# Allegro board controller.brd (continued)
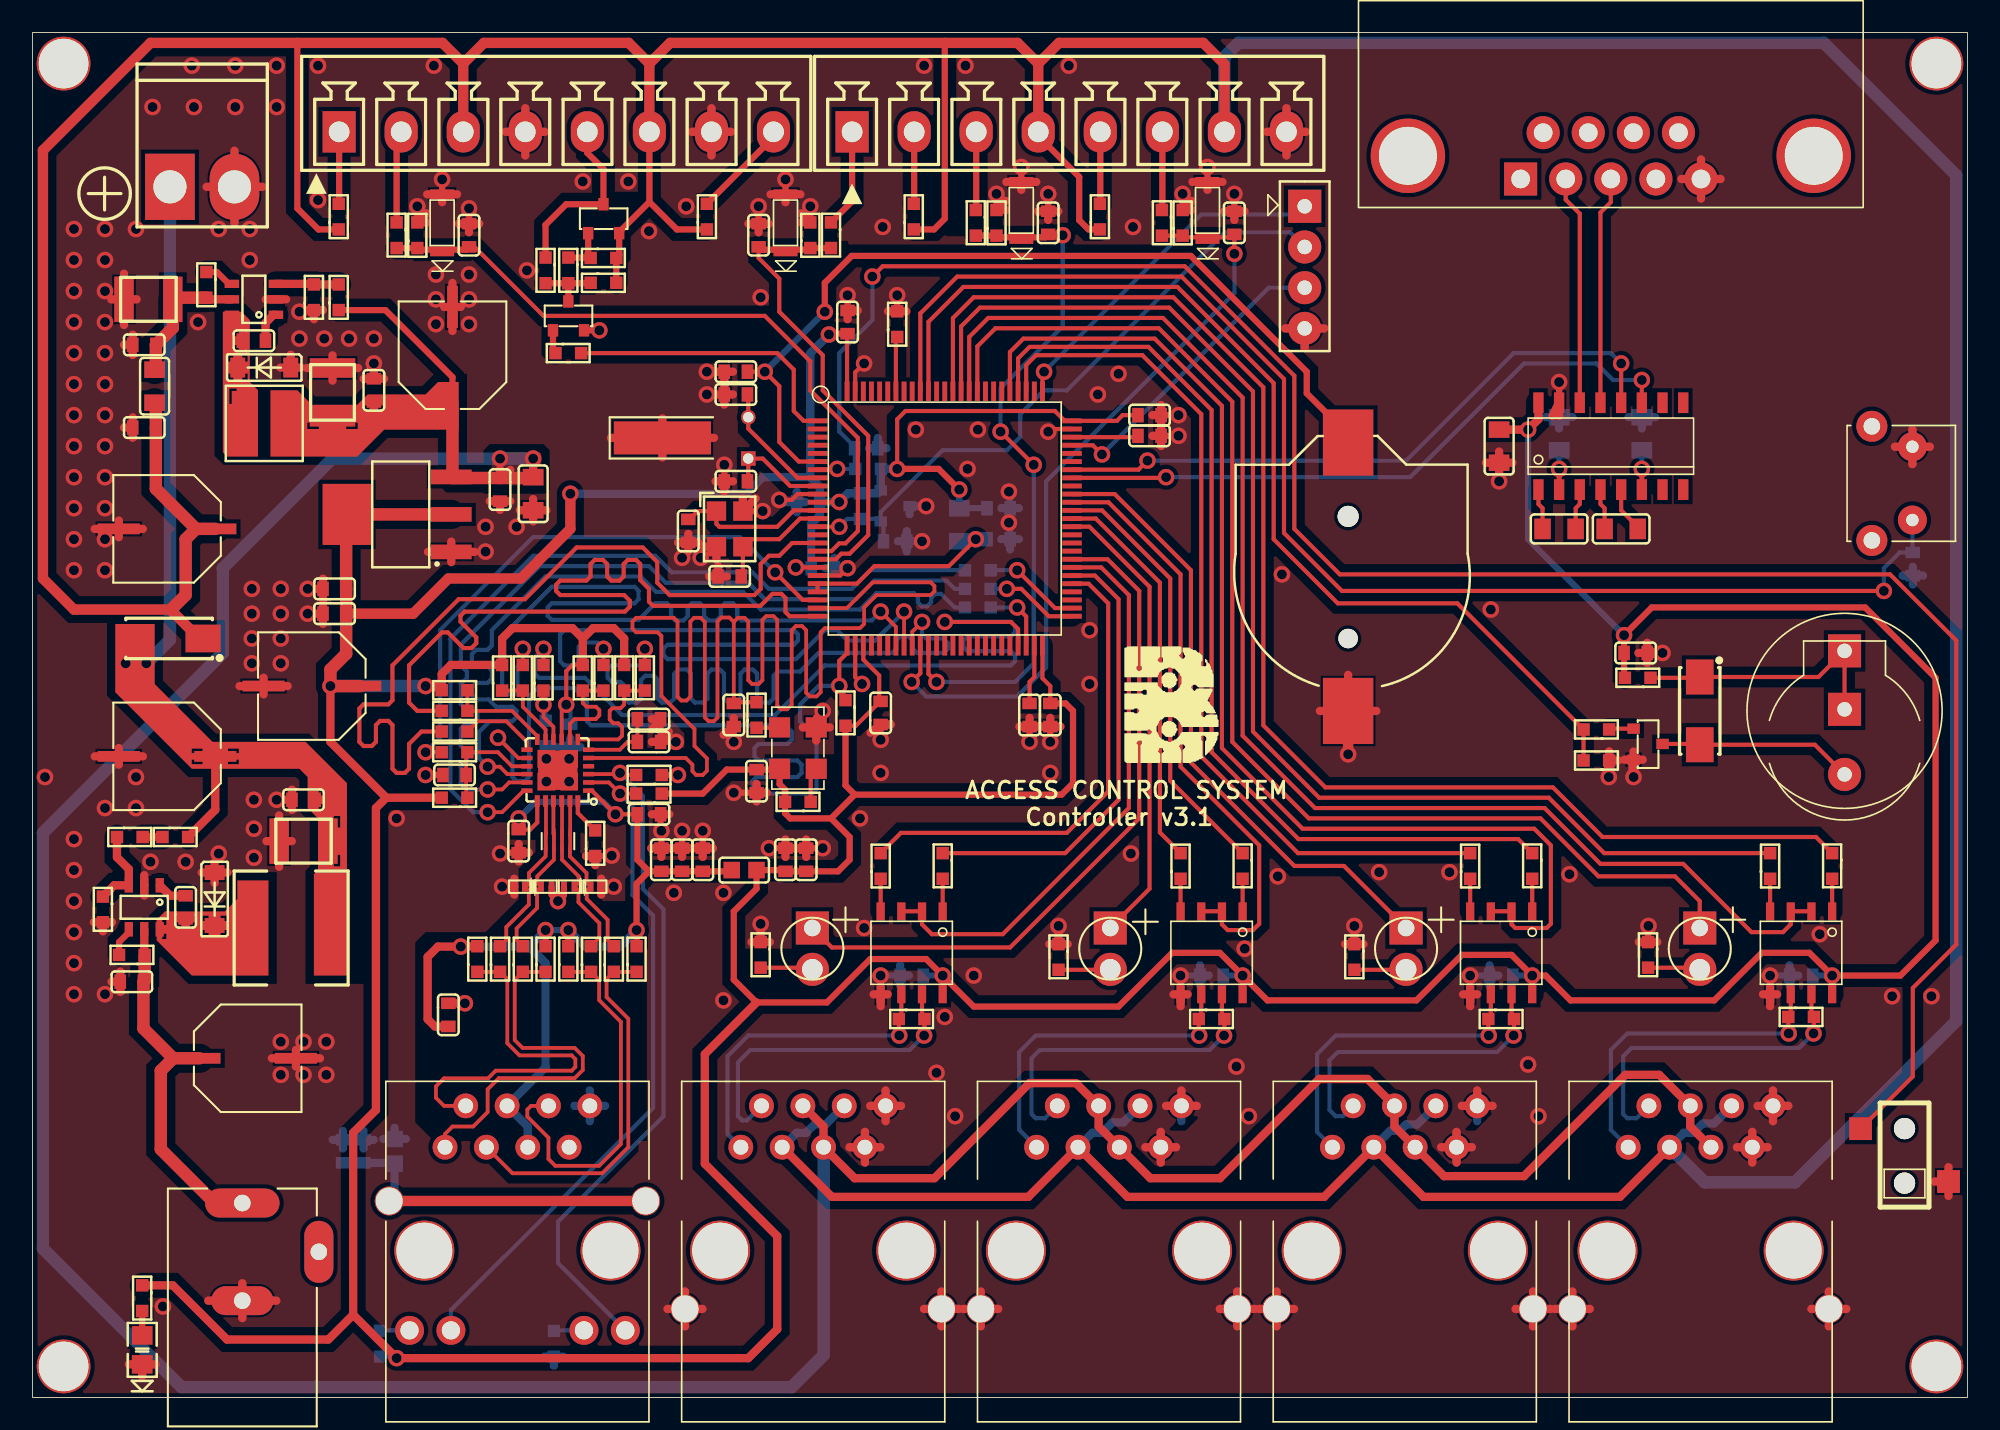
[diagram p0: board, top side]
## Nets
13.8V: C157.1 C158.1 C159.1 D7.2(A) J5.1 L2.2 R42.1
16V: C154.1 C155.1 DCIN1.1 R7.2 U25.5(IN)
GND: BT1.2 C1.2 C2.2 C3.2 C4.2 C5.2 C6.2 C7.2 C8.2 C9.2 C10.2 C11.2 C12.2 C13.2 C14.2 C15.2 C16.2 C17.2 C18.2 C19.1 C20.2 C21.2 C22.1 C23.1 C24.2 C25.2 C29.1 C30.2 C31.2 C32.2 C33.2 C34.2 C35.2 C38.2 C40.2 C41.2 C43.2 C52.2 C53.1 C54.1 C55.2 C85.2 C86.2 C129.2 C130.2 C131.1 C132.1 C133.2 C139.2 C140.2 C142.2 C144.2 C145.2 C146.2 C147.2 C150.2 C151.2 C152.2 C153.2 C154.2 C155.2 C157.2 C158.2 C159.2 D3.1(ANODE) D8.1(ANODE) D11.2(ANODE) D18.2(CATHODE) D41.1(ANODE) D42.1(ANODE) D43.1(ANODE) D44.1(ANODE) D45.2(ANODE) D46.2(ANODE) D47.2(ANODE) DCIN1.2 J1.8(NC2) J5.2 J7.4 J9.4 J9.7 J11.7(NC3) J11.8(NC4) J11.13(PGND) J11.14(PGND1) J12.7(NC3) J12.8(NC4) J12.13(PGND) J12.14(PGND1) J13.7(NC3) J13.8(NC4) J13.13(PGND) J13.14(PGND1) J14.7(NC3) J14.8(NC4) J14.13(PGND) J14.14(PGND1) J15.5(SG) J16.8 L16.1 Q1.2(E) Q6.2(E) R1.1 R21.1 R25.2(R2) R30.2 R106.2(R2) R167.2(R2) R342.1 R347.2 R349.2 R350.2 R351.2 R352.2 R364.1 R367.1 R370.1 R374.1 S1.1 SW1.4 U1.10(VSS#10) U1.20(VSSA) U1.27(VSS#27) U1.74(VSS#74) U1.99(VSS#99) U2.3(VSS) U5.15(GND) U6.1(GND) U12.2(GND) U20.25(GND) U20.26(GND1) U20.27(GND2) U20.28(GND3) U21.5(GND) U22.5(GND) U23.5(GND) U24.5(GND) U25.2(GND) Y1.2(GND2) Y1.4(GND1) Y2.3 Y3.2(GND)
GND_EARTH: C85.1 C86.1 J1.13(PGND) J1.14(PGND1) L16.2
VBAT: BT1.1 C1.1 U1.6(VBAT)
VCC3V3: C2.1 C3.1 C4.1 C5.1 C6.1 C7.1 C8.1 C22.2 C23.2 C43.1 C52.1 C53.2 C54.2 C55.1 C140.1 C144.1 C145.1 C146.1 C147.1 C150.1 L1.1 L11.1 R2.1 R13.1 R16.1 R17.1 R22.1(R1) R23.1 R24.1 R33.1 R74.1 R96.2 R104.1 R108.2(R2) R179.2(R2) U1.11(VDD#11) U1.19(VDD#19) U1.28(VDD#28) U1.50(VDD#50) U1.75(VDD#75) U1.100(VDD#100) U2.2(VCC) U5.16(VCC) U6.2(OUT) U6.4(OUT2) U20.9(VDDIO) U21.8(VCC) U22.8(VCC) U23.8(VCC) U24.8(VCC) Y3.4(VCC)
VCC5V: C30.1 C38.1 C40.1 C41.1 C132.2 J11.4(NC1) J11.5(NC2) J12.4(NC1) J12.5(NC2) J13.4(NC1) J13.5(NC2) J14.4(NC1) J14.5(NC2) L10.2 R29.2 U6.3(VIN)
VCC_12V: C31.1 C33.1 D7.1(K) J9.3 J9.6 J11.3(RX+) J11.6(RX-) J12.3(RX+) J12.6(RX-) J13.3(RX+) J13.6(RX-) J14.3(RX+) J14.6(RX-) J16.4 J16.7 L9.1 Q7.2(DRAIN) R79.1 R92.1 R94.2 R365.2 R368.2 R371.2
VDDA: C9.1 L11.2 U1.21(VREF+) U1.22(VDDA)
3: DCIN1.3
ADC12_IN8: C153.1 D47.1(CATHODE) R370.2 R372.1 U1.35(PB0)
ADC12_IN9: C152.1 D46.1(CATHODE) R367.2 R369.1 U1.36(PB1)
ADC123_IN12: C139.1 D11.1(CATHODE) R67.1 R342.2 U1.17(PC2)
ADC123_IN13: C151.1 D45.1(CATHODE) R364.2 R366.1 U1.18(PC3)
BUTTON: C130.1 S1.2 U1.91(PB5)
E_RMII_CRS_DVALID: R340.1 U1.32(PA7)
E_RMII_MD: R339.1 U1.25(PA2)
E_RMII_MDCLK: R338.1 U1.16(PC1)
E_RMII_RX_ERR: R348.1 U1.47(PB10)
ERMII_RXD0: R336.1 U1.33(PC4)
ERMII_RXD1: R337.1 U1.34(PC5)
ERMII_TXD0: R333.1 U1.51(PB12)
ERMII_TXD1: R334.1 U1.52(PB13)
ERMII_TXEN: R335.1 U1.48(PB11)
GR+: J1.9(LEDG+) R179.1(R1)
GR-: J1.10(LEDG-) R108.1(R1) U20.2(LED2/NINTSEL)
IN_EXIT: J9.2 R67.2
IN_LINE1: J16.3 R369.2
IN_LINE2: J16.6 R372.2
IN_LOCK: J16.1 R366.2
LED_B1: U1.42(PE11)
LED_B3: U1.61(PD14)
LED_G1: U1.44(PE13)
LED_R1: U1.40(PE9)
LED_R3: U1.60(PD13)
MPU_RMII_RST: R26.1 U1.23(PA0)
NRST: C12.1 J7.2 R2.2 U1.14(NRST) U2.1(RST)
OSC_EN: R13.2 Y3.1(EN)
OUT_CTL: R77.1 U1.1(PE2)
OUT_CTL1: J9.5 Q7.3(SOURCE) R373.2
PA13_JT MS: J7.3 U1.72(PA13)
PA14_JTCK: J7.1 U1.76(PA14)
PORT1_STATUS: D48.1(ANODE) U1.58(PD11)
PORT2_STATUS: D49.1(ANODE) U1.62(PD15)
PORT3_STATUS: D50.1(ANODE) U1.66(PC9)
PORT4_STATUS: D51.1(ANODE) U1.84(PD3)
RMII_33A: C19.2 C20.1 C21.1 C24.1 C25.1 C131.2 J1.4(NC4) J1.5(NC3) L1.2 R9.1 R10.1 R11.1 R12.1 U20.1(VDD2A) U20.19(VDD1A)
RMII_CLK: C133.1 R332.1 U1.24(PA1) U20.5(XTAL1/CLKIN)
RMII_CRS_DVALID: R23.2 R340.2 U20.11(CRS_DV/MODE2)
RMII_INT: R104.2 U1.26(PA3) U20.14(NINT/REFCLKO)
RMII_MD: R22.2(R2) R339.2 U20.12(MDIO)
RMII_MDCLK: R338.2 U20.13(MDC)
RMII_RST: C29.2 R24.2 R26.2 U20.15(NRST)
RMII_RX_ERR: R21.2 R348.2 U20.10(RXER/PHYADO)
RMII_RXD0: R16.2 R336.2 U20.8(RXD0/MODE0)
RMII_RXD1: R17.2 R337.2 U20.7(RXD1/MODE1)
RMII_TXD0: R333.2 U20.17(TXD0)
RMII_TXD1: R334.2 U20.18(TXD1)
RMII_TXEN: R335.2 U20.16(TXEN)
RS485_1A: J11.1(TX+) R341.2 U21.6(A)
RS485_1B: J11.2(TX-) R341.1 U21.7(B\)
RS485_1EN: U1.65(PC8) U22.2(R\E\) U22.3(DE)
RS485_2A: J12.1(TX+) R353.2 U22.6(A)
RS485_2B: J12.2(TX-) R353.1 U22.7(B\)
RS485_2EN: U1.85(PD4) U24.2(R\E\) U24.3(DE)
RS485_3A: J13.1(TX+) R356.2 U23.6(A)
RS485_3B: J13.2(TX-) R356.1 U23.7(B\)
RS485_3EN: U1.57(PD10) U21.2(R\E\) U21.3(DE)
RS485_4A: J14.1(TX+) R359.2 U24.6(A)
RS485_4B: J14.2(TX-) R359.1 U24.7(B\)
RS485_4EN: U1.80(PC12) U23.2(R\E\) U23.3(DE)
RX2: J15.3(TD) U5.13(R1IN)
SPEAKER: R34.1 R347.1 U1.90(PB4)
SW_HDT: C129.1 R74.2 SW1.1 U1.7(PC13)
TX2: J15.2(RD) U5.14(T1OUT)
UART1_RX: U1.69(PA10) U5.12(R1OUT)
UART1_TX: U1.68(PA9) U5.11(T1IN)
UART2_RX: R361.2 U1.87(PD6)
UART2_TX: R360.1 U1.86(PD5)
UART3_RX: R73.2 U1.56(PD9)
UART3_TX: R72.1 U1.55(PD8)
UART4_RX: R358.2 U1.79(PC11)
UART4_TX: R357.1 U1.78(PC10)
UART6_RX: R355.2 U1.64(PC7)
UART6_TX: R354.1 U1.63(PC6)
V_EXIT: J9.1 R94.1
V_LINE1: J16.2 R368.1
V_LINE2: J16.5 R371.1
V_LOCK: J9.8 R365.1
W_RXN: D42.2(CATHODE) ED26.3 ED26.6 R328.1 U20.22(RXN)
W_RXN_TRANS: J1.6(RX-) R11.2 R328.2
W_RXP: D41.2(CATHODE) ED26.4 ED26.5 R329.1 U20.23(RXP)
W_RXP_TRANS: J1.3(RX+) R12.2 R329.2
W_TXN: D44.2(CATHODE) ED26.1 ED26.8 R330.1 U20.20(TXN)
W_TXN_TRANS: J1.2(TX-) R9.2 R330.2
W_TXP: D43.2(CATHODE) ED26.2 ED26.7 R331.1 U20.21(TXP)
W_TXP_TRANS: J1.1(TX+) R10.2 R331.2
YE+: J1.12(LEDY+) R106.1(R1) U20.3(LED1/REGOFF)
YE-: J1.11(LEDY-) R167.1(R1)
N1927076: C37.1 U12.1(BS)
N1927104: C32.1 C142.1 L9.2 R386.1 U12.5(IN)
N1927124: C37.2 D3.2(CATHODE) L10.1 U12.6(SW)
N1927148: R29.1 R30.1 U12.3(FB)
N1927532: D18.1(ANODE) R96.1
N1929983: Q6.3(C) R78.1 R79.2 R373.1
N1930015: Q7.1(GATE) R78.2 R92.2
N1930818: R73.1 U21.1(RO)
N1933842: C13.1 U1.13(PH1) Y1.3(XOUT)
N1933886: C14.1 U1.12(PH0) Y1.1(XIN)
N1934496: C10.1 U1.73(VCAP_2)
N1934500: C11.1 U1.49(VCAP_1)
N1934534: R1.2 U1.94(BOOT0)
N1935034: C15.1 U1.9(PC15) Y2.1
N1935038: C16.1 U1.8(PC14) Y2.2
N1936411: R25.1(R1) U20.24(RBIAS)
N1936629: C17.1 C18.1 U20.6(VDDCR)
N1936921: R332.2 Y3.3(OUT)
N1946755: R355.1 U22.1(RO)
N1947254: R358.1 U23.1(RO)
N1947771: R361.1 U24.1(RO)
N1953697: C148.2 U5.1(C1+)
N1953701: C148.1 U5.3(C1-)
N1953713: C149.2 U5.5(C2-)
N1953717: C149.1 U5.4(C2+)
N1953793: C34.1 U5.2(V+)
N1953801: C35.1 U5.6(V-)
N1967474: R7.1 U25.4(EN)
N1967542: C156.2 D8.2(CATHODE) L2.1 U25.6(SW)
N1967550: C156.1 U25.1(BS)
N1967554: R8.2 R374.2 U25.3(FB)
N1969017: D4.1(K) LS1.1 LS1.3 R33.2
N1969021: D4.2(A) LS1.2 Q1.3(C)
N1987547: R386.2 U12.4(EN)
N2005862: D48.2(CATHODE) R349.1
N2006840: D49.2(CATHODE) R350.1
N2007531: D50.2(CATHODE) R351.1
N2008368: D51.2(CATHODE) R352.1
N19299010: Q6.1(B) R77.2
N19307101: R72.2 U21.4(DI)
N19466511: R354.2 U22.4(DI)
N19471501: R357.2 U23.4(DI)
N19476671: R360.2 U24.4(DI)
N19674260: R8.1 R42.2
N19691410: Q1.1(B) R34.2

Pads without a net: J1 7; J15 1 4 6 7 8 9; SW1 2 3; U1 2 3 4 5 15 29 30 31 37 38 39 41 43 45 46 53 54 59 67 70 71 77 81 82 83 88 89 92 93 95 96 97 98; U5 7 8 9 10; U20 4

## Via types
v1: diameter 1.016, hole 0.61, TOP to BOTTOM, 280 vias

## Routing (per net, layer and track width the routed paths; a pad name or vN(x,y) marks a point on that pad's centre or on a via; arc(x,y) is an arc through that point)
13.8V: length 37.1
  TOP w0.508: R42.1 11.22,36.08 C158.1
  BOTTOM w0.762: 8.43,74.68 J5.1 8.43,46.53 v1(6.99,45.09) v1(5.71,45.09)
16V: length 22.6
  TOP w0.508: U25.5 6.86,27.2 R7.2
  TOP w0.762: 8.64,20.83 6.81,22.66 C154.1 6.88,25.6 R7.2 ; 8.64,20.83 7.87,20.07 7.87,15.24 11.18,11.94 DCIN1.1 ; 8.64,20.83 C155.1
GND: length 510.4
  TOP w0.254: v1(45.85,55.12) 46.61,55.12 46.97,55.48 U1.10 ; U1.27 50.51,44.23 v1(50.93,43.81) ; v1(50.04,50.93) 49.59,50.47 U1.20 ; U1.99 50.51,62.95 v1(51.05,63.5) ; v1(62.36,59.31) 62.52,59.47 U1.74
  TOP w0.381: v1(39.5,40.26) C18.2 C17.2 ; C23.1 v1(48.51,33.73) ; C151.2 v1(44.58,73.15) ; R367.1 v1(59.18,73.91) ; C19.1 38.56,34.85 v1(38.61,34.8) C20.2 ; C15.2 v1(42.47,57.28) ; C21.2 v1(39.88,34.8) ; Y1.4 v1(44.83,54.43) ; C133.2 v1(43.05,40.26) ; R342.1 v1(23.62,73.15) ; C22.1 v1(45.21,33.73) ; R25.2 35.53,33.25 v1(35.56,33.27) ; U23.5 v1(88.27,25.91) ; R106.2 v1(39.62,38.23) ; v1(99.21,28.96) 99.19,28.93 R352.2 ; C4.2 v1(52.07,40.39) ; D41.1 v1(35.69,31.37) ; C7.2 v1(50.04,67.69) ; C152.2 v1(62.36,73.91) ; U5.15 v1(93.73,62.36) ; D44.1 v1(28.83,31.37) ; C131.1 28.75,33.45 v1(28.7,33.4) ; C24.2 v1(41.15,34.8) ; C6.2 v1(70.36,60.33) ; v1(48.51,42.16) 48.12,41.77 Y3.2 ; C11.2 v1(61.21,40.26) ; C153.2 v1(73.79,73.91) ; C5.2 v1(62.48,40.26) ; D11.2 v1(25.15,74.8) ; U24.5 v1(106.68,25.91) ; C29.1 v1(24.13,38.23) ; R370.1 v1(70.61,73.91) ; D47.2 v1(72.14,75.56) ; D45.2 v1(46.23,74.8) ; D42.1 32.62,30.85 v1(32.26,30.48) 31.87,30.87 D43.1 ; D46.2 v1(60.71,75.56) ; U21.5 v1(52.07,25.91) ; C52.2 v1(43.05,37.13) ; Q6.2 v1(34.8,65.53) ; U22.5 v1(70.48,25.91) ; C139.2 v1(26.8,73.03) ; R364.1 v1(47.75,73.15) ; R1.1 v1(53.09,67.69) ; C10.2 v1(70.36,59.05)
  TOP w0.508: 15.93,36.08 C157.2 ; C157.2 15.93,37.33 ; C157.2 15.39,36.7 ; 3.82,53.34 C33.2 ; C33.2 5.29,53.85 ; C33.2 5.29,52.83 ; C33.2 6.77,53.34 ; 99.14,45.1 C144.2 ; C144.2 99.14,46.34 ; C144.2 98.6,45.72 ; 93.47,5.44 J14.13 ; J14.13 94.54,4.37 ; J14.13 94.54,6.5 ; J14.13 95.61,5.44 ; C150.2 90.86,57.4 ; C150.2 89.23,57.4 ; C150.2 90.04,58.09 ; C150.2 v1(90.04,56.26) ; J11.7 52.05,15.37 ; J11.7 51.1,16.31 ; J11.7 50.16,15.37 ; J11.7 51.1,14.42 ; 16.71,66.78 R30.2 ; R30.2 17.83,66.78 ; R30.2 17.27,66.22 ; J13.8 88.7,18.85 ; J13.8 89.64,17.91 ; J13.8 87.75,17.91 ; 6.86,32.08 U25.2 6.86,30.83 ; J13.7 88.37,15.37 ; J13.7 87.43,16.31 ; J13.7 86.48,15.37 ; J13.7 87.43,14.42 ; C159.2 15.92,34.16 ; C159.2 15.14,32.59 ; C159.2 15.14,35.74 ; C159.2 14.36,34.16 ; 45.31,73.89 D45.2 ; D45.2 47.14,73.89 ; D45.2 46.23,73.4 ; U23.5 88.7,24.75 ; U23.5 87.83,24.75 ; U23.5 88.27,24.03 ; D3.1 16.49,63.25 ; D3.1 15.21,63.25 ; D3.1 15.85,64.04 ; 41.15,33.2 C24.2 ; C24.2 40.52,33.73 ; C24.2 41.77,33.73 ; Y3.2 48.94,41.15 ; Y3.2 48.12,40.35 ; Y3.2 47.29,41.15 ; 61.73,72.85 C152.2 ; C152.2 62.36,72.31 ; C152.2 62.98,72.85 ; 42.47,62.37 C1.2 ; C1.2 v1(41.4,62.99) ; C1.2 43,62.99 ; 29.58,31.85 D44.1 29.58,30.88 ; C11.2 61.84,41.2 ; C11.2 61.21,41.73 ; C11.2 60.59,41.2 ; J15.5 103.63,74.83 ; J15.5 102.44,76.02 ; J15.5 102.44,73.63 ; J15.5 101.24,74.83 ; C16.2 v1(41.4,61.59) ; C16.2 42.47,60.97 ; C16.2 43,61.59 ; C16.2 42.47,62.22 ; 53.65,66.7 R1.1 52.52,66.7 ; C15.2 43,56.26 ; C15.2 41.93,56.26 ; C15.2 42.47,55.64 ; 38.02,35.81 C19.1 39.09,35.81 ; 51.45,40.83 C4.2 52.69,41.33 ; 28.08,55.04 C132.1 ; C132.1 28.7,54.51 ; C132.1 29.33,55.04 ; C22.1 46.85,33.73 ; C22.1 46.23,34.27 ; C22.1 46.23,33.2 ; 17.29,48.13 C54.1 ; C54.1 17.83,47.51 ; C54.1 17.83,48.76 ; 39.06,40.88 C18.2 38.02,40.26 ; C131.1 29.84,33.99 ; C131.1 30.47,33.45 ; C131.1 29.84,32.92 ; 39.63,52.5 C14.2 ; C14.2 40.26,51.97 ; C14.2 40.88,52.5 ; C14.2 40.26,53.04 ; C30.2 21.58,62.56 ; C30.2 20.33,62.56 ; C30.2 20.95,63.1 ; 35.51,58.93 Y2.3 ; Y2.3 38.67,60.12 ; Y2.3 38.67,57.73 ; Y2.3 41.84,58.93 ; C142.2 6.39,67.44 ; C142.2 4.84,67.44 ; C142.2 5.61,65.86 ; C142.2 5.61,69.01 ; C38.2 18.41,64 ; C38.2 18.41,62.44 ; C38.2 19.99,63.22 ; C38.2 16.84,63.22 ; 109.22,5.44 J14.14 ; J14.14 111.36,5.44 ; J14.14 110.29,4.37 ; J14.14 110.29,6.5 ; BT1.2 80.77,44.37 ; BT1.2 79.04,42.16 ; BT1.2 82.5,42.16 ; 43.95,72.09 C151.2 ; C151.2 44.58,71.55 ; C151.2 45.2,72.09 ; 40.06,4.37 J11.13 ; J11.13 38.99,5.44 ; J11.13 41.13,5.44 ; J11.13 40.06,6.5 ; J9.7 42.88,77.72 ; J9.7 40.49,77.72 ; J9.7 41.68,76.27 ; J9.7 41.68,79.17 ; J16.8 78.18,77.72 ; J16.8 75.79,77.72 ; J16.8 76.99,76.27 ; J16.8 76.99,79.17 ; 60.71,74.16 D46.2 ; D46.2 61.62,74.65 ; D46.2 59.79,74.65 ; D18.2 7.55,2.03 ; D18.2 6.73,1.28 ; D18.2 5.92,2.03 ; 39.88,33.2 C21.2 ; C21.2 40.5,33.73 ; C21.2 39.25,33.73 ; J12.13 58.22,6.5 ; J12.13 57.15,5.44 ; J12.13 58.22,4.37 ; J12.13 59.29,5.44 ; 47.19,72.72 R364.1 47.19,72.16 ; J12.8 70.54,18.85 ; J12.8 69.59,17.91 ; J12.8 71.48,17.91 ; 52.07,24.03 U21.5 ; U21.5 51.64,24.75 ; U21.5 52.5,24.75 ; C55.2 14.18,44.2 ; C55.2 14.18,43.18 ; C55.2 15.66,43.69 ; C55.2 12.71,43.69 ; 68.76,59.05 C10.2 ; C10.2 69.29,59.68 ; C10.2 69.29,58.43 ; C158.2 6.77,39.37 ; C158.2 5.29,39.88 ; C158.2 5.29,38.86 ; C158.2 3.82,39.37 ; 105.92,17.91 J14.8 ; J14.8 107.8,17.91 ; J14.8 106.86,16.96 ; J14.8 106.86,18.85 ; 69.29,59.7 C6.2 ; C6.2 68.76,60.33 ; C6.2 69.29,60.95 ; 4.85,25.53 C154.2 ; C154.2 5.38,26.15 ; C154.2 5.38,24.9 ; J12.7 70.21,15.37 ; J12.7 69.27,16.31 ; J12.7 69.27,14.42 ; J12.7 68.32,15.37 ; J11.14 56.87,5.44 ; J11.14 55.8,4.37 ; J11.14 55.8,6.5 ; J11.14 54.73,5.44 ; 97.74,39.17 Q1.2 ; Q1.2 98.3,39.66 ; Q1.2 98.86,39.17 ; 26.17,72.09 C139.2 ; C139.2 27.42,72.09 ; C139.2 26.8,71.55 ; 41.55,50.42 C13.2 ; C13.2 42.62,50.42 ; C13.2 42.09,51.04 ; 50.66,66.75 C7.2 50.04,66.22 ; 76.38,4.37 J13.13 ; J13.13 77.45,5.44 ; J13.13 75.31,5.44 ; J13.13 76.38,6.5 ; 99.75,27.97 R352.2 98.63,27.97 ; 44.14,27.97 R349.2 ; R349.2 45.27,27.97 ; R349.2 v1(44.7,29.08) ; 96.8,39.68 R347.2 97.36,39.12 ; R374.1 4.88,29.18 ; R374.1 4.32,28.62 ; R374.1 3.76,29.18 ; 76.91,65.65 J7.4 ; J7.4 78.11,64.46 ; J7.4 79.3,65.65 ; C43.2 17.83,50.28 ; C43.2 17.29,49.66 ; C43.2 17.83,49.03 ; 24.18,72.16 R342.1 24.18,72.72 ; 25.71,51.3 U6.1 ; U6.1 25.71,52.56 ; U6.1 24.28,51.93 ; U6.1 27.14,51.93 ; C23.1 47.5,34.27 ; C23.1 46.87,33.73 ; C23.1 47.5,33.2 ; J13.14 92.13,6.5 ; J13.14 91.06,5.44 ; J13.14 92.13,4.37 ; J13.14 93.2,5.44 ; C153.2 74.41,72.85 ; C153.2 73.79,72.31 ; C153.2 73.16,72.85 ; C5.2 63.11,41.2 ; C5.2 62.48,41.73 ; C5.2 61.86,41.2 ; J12.14 75.03,5.44 ; J12.14 73.96,4.37 ; J12.14 72.9,5.44 ; J12.14 73.96,6.5 ; 34.91,31.85 D41.1 34.91,30.88 ; v1(81.15,28.96) R351.2 ; R351.2 81.71,27.84 ; R351.2 80.59,27.84 ; 44.45,36.6 C52.2 ; C52.2 44.45,37.67 ; C52.2 45.07,37.13 ; J5.2 12.4,76.56 ; J5.2 12.4,72.13 ; J5.2 14.1,74.35 ; J5.2 10.69,74.35 ; 42.43,40.7 C133.2 43.05,41.73 ; 6.15,58.94 C31.2 ; C31.2 5.61,59.56 ; C31.2 6.15,60.19 ; R350.2 v1(62.99,28.96) ; R350.2 62.43,27.84 ; R350.2 63.55,27.84 ; 30.25,76.27 J9.4 ; J9.4 30.25,79.17 ; J9.4 29.06,77.72 ; J9.4 31.45,77.72 ; C155.2 16.17,21.34 ; C155.2 16.17,20.32 ; C155.2 14.69,20.83 ; C155.2 17.65,20.83 ; DCIN1.2 14.96,5.94 ; DCIN1.2 12.88,4.87 ; DCIN1.2 12.88,7.01 ; DCIN1.2 10.79,5.94 ; 5.61,64.64 C32.2 ; C32.2 6.15,65.27 ; C32.2 6.15,64.02 ; 43.61,55.21 Y1.4 44.39,55.21 ; 38.02,41.66 C17.2 38.06,41.03 ; 14.32,67.44 U12.2 15.57,67.44 ; 115.42,57.32 S1.1 ; S1.1 115.42,59.45 ; S1.1 114.35,58.38 ; S1.1 116.49,58.38 ; 71.22,74.65 D47.2 ; D47.2 73.05,74.65 ; D47.2 72.14,74.16 ; D11.2 26.06,73.89 ; D11.2 24.23,73.89 ; D11.2 25.15,73.4 ; C20.2 39.23,33.73 ; C20.2 38.61,33.2 ; C20.2 37.98,33.73 ; 34.54,32.69 R25.2 33.98,33.25 ; 71.17,72.92 R370.1 71.17,73.48 ; D8.1 11.18,32.87 ; D8.1 11.97,32.23 ; D8.1 10.39,32.23 ; D8.1 11.18,31.6 ; 116.75,13.26 SW1.4 ; SW1.4 117.64,14.14 ; SW1.4 117.64,12.38 ; 105.59,14.42 J14.7 ; J14.7 106.53,15.37 ; J14.7 104.65,15.37 ; J14.7 105.59,16.31 ; 93.32,60.27 U5.15 93.73,60.27 ; 29.92,54.48 C41.2 ; C41.2 30.73,53.79 ; C41.2 31.55,54.48 ; C41.2 30.73,55.17 ; C40.2 26.29,66.97 ; C40.2 25.78,68.45 ; C40.2 25.27,66.97 ; C40.2 25.78,65.49 ; 41.21,52.25 Y1.2 41.99,51.47 ; 70.05,24.75 U22.5 ; U22.5 70.48,24.03 ; U22.5 70.92,24.75 ; 59.74,72.92 R367.1 59.74,73.48 ; U24.5 107.11,24.75 ; U24.5 106.25,24.75 ; U24.5 106.68,24.03 ; J11.8 53.32,17.91 ; J11.8 52.37,16.96 ; J11.8 51.43,17.91 ; J11.8 52.37,18.85 ; C25.2 v1(26.54,24.21)
  TOP w0.635: C144.2 v1(100.08,45.72) ; R347.2 96.8,38.13 v1(96.77,38.1) ; Q1.2 v1(98.3,38.1) ; BT1.2 v1(80.77,39.5)
  BOTTOM w0.381: v1(59.94,55.63) 60.02,55.55 C8.2 60.02,53.8 v1(59.94,53.72) 60.02,53.64 C9.2 ; C146.2 v1(88.27,25.91) ; C34.2 v1(93.73,62.36) ; C140.2 v1(52.07,25.91) ; C145.2 v1(70.48,25.91) ; v1(106.68,25.91) C147.2
  BOTTOM w0.508: J13.13 77.45,5.44 ; J13.13 75.31,5.44 ; J13.13 76.38,6.5 ; J13.13 76.38,4.37 ; 92.91,60.2 C34.2 ; C34.2 94.54,60.2 ; C34.2 93.73,59.51 ; 18.43,15.82 C86.2 ; C86.2 19.67,15.82 ; C86.2 19.05,16.36 ; C86.2 19.05,15.29 ; J13.7 88.37,15.37 ; J13.7 87.43,16.31 ; J13.7 87.43,14.42 ; J13.7 86.48,15.37 ; J9.4 31.45,77.72 ; J9.4 29.06,77.72 ; J9.4 30.25,76.27 ; J9.4 30.25,79.17 ; 50.16,15.37 J11.7 ; J11.7 52.05,15.37 ; J11.7 51.1,14.42 ; J11.7 51.1,16.31 ; 110.29,4.37 J14.14 ; J14.14 111.36,5.44 ; J14.14 110.29,6.5 ; J14.14 109.22,5.44 ; J15.5 102.44,76.02 ; J15.5 102.44,73.63 ; J15.5 101.24,74.83 ; J15.5 103.63,74.83 ; J12.7 69.27,16.31 ; J12.7 70.21,15.37 ; J12.7 69.27,14.42 ; J12.7 68.32,15.37 ; J11.13 40.06,6.5 ; J11.13 41.13,5.44 ; J11.13 40.06,4.37 ; J11.13 38.99,5.44 ; 12.4,72.13 J5.2 ; J5.2 10.69,74.35 ; J5.2 14.1,74.35 ; J5.2 12.4,76.56 ; 54.41,54.74 U2.3 53.85,54.24 ; J14.8 106.86,18.85 ; J14.8 105.92,17.91 ; J14.8 107.8,17.91 ; J14.8 106.86,16.96 ; J12.14 73.96,6.5 ; J12.14 73.96,4.37 ; J12.14 72.9,5.44 ; J12.14 75.03,5.44 ; C85.2 20.94,15.82 ; C85.2 19.7,15.82 ; C85.2 20.32,15.29 ; C85.2 20.32,16.36 ; 105.59,14.42 J14.7 ; J14.7 104.65,15.37 ; J14.7 106.53,15.37 ; J14.7 105.59,16.31 ; 70.54,16.96 J12.8 ; J12.8 71.48,17.91 ; J12.8 70.54,18.85 ; J12.8 69.59,17.91 ; C129.2 51.89,58.92 ; C129.2 51.36,58.29 ; C129.2 52.43,58.29 ; J9.7 41.68,79.17 ; J9.7 42.88,77.72 ; J9.7 40.49,77.72 ; J9.7 41.68,76.27 ; 94.54,4.37 J14.13 ; J14.13 93.47,5.44 ; J14.13 95.61,5.44 ; J14.13 94.54,6.5 ; C9.2 60.56,52.7 ; C9.2 60.02,52.08 ; C9.2 59.48,52.7 ; 32.4,39.93 C53.1 ; C53.1 33.02,39.39 ; C53.1 33.02,40.46 ; C53.1 33.64,39.93 ; 31.5,39.42 R21.1 32.06,39.98 ; 97.99,60.2 C35.2 ; C35.2 98.81,60.89 ; C35.2 99.62,60.2 ; C35.2 98.81,59.51 ; 53.13,52.58 C12.2 ; C12.2 53.67,51.95 ; C12.2 54.21,52.58 ; C12.2 53.67,53.2 ; R167.2 32.57,2.51 ; R167.2 31.44,2.51 ; R167.2 32,1.95 ; 52.37,16.96 J11.8 ; J11.8 53.32,17.91 ; J11.8 52.37,18.85 ; J11.8 51.43,17.91 ; DCIN1.2 12.88,7.01 ; DCIN1.2 10.79,5.94 ; DCIN1.2 14.96,5.94 ; DCIN1.2 12.88,4.87 ; J13.8 88.7,18.85 ; J13.8 89.64,17.91 ; J13.8 88.7,16.96 ; J13.8 87.75,17.91 ; 57.15,5.44 J12.13 ; J12.13 58.22,4.37 ; J12.13 59.29,5.44 ; J12.13 58.22,6.5 ; 115.42,57.32 S1.1 ; S1.1 116.49,58.38 ; S1.1 115.42,59.45 ; S1.1 114.35,58.38 ; 46.91,54.37 C2.2 ; C2.2 45.97,54.99 v1(45.85,55.12) ; C2.2 47.45,54.99 ; C2.2 46.91,55.62 ; J11.14 56.87,5.44 ; J11.14 55.8,6.5 ; J11.14 54.73,5.44 ; J11.14 55.8,4.37 ; 21.54,15.88 L16.1 ; L16.1 22.23,16.56 ; L16.1 22.91,15.88 ; J1.8 35.16,17.91 ; J1.8 33.27,17.91 ; J1.8 34.21,16.96 ; J1.8 34.21,18.85 ; J16.8 76.99,79.17 ; J16.8 76.99,76.27 ; J16.8 78.18,77.72 ; J16.8 75.79,77.72 ; C146.2 89.46,26.53 ; C146.2 89.99,25.91 ; C146.2 89.46,25.28 ; C130.2 115.44,51.01 ; C130.2 116.07,50.47 ; C130.2 115.44,49.93 ; C130.2 114.82,50.47 ; C147.2 108.41,25.91 ; C147.2 107.87,25.28 ; C147.2 107.87,26.53 ; 53.26,25.28 C140.2 ; C140.2 53.26,26.53 ; C140.2 53.8,25.91 ; 91.06,5.44 J13.14 ; J13.14 92.13,4.37 ; J13.14 93.2,5.44 ; J13.14 92.13,6.5 ; 48.69,50.93 C3.2 ; C3.2 49.23,51.55 ; C3.2 v1(50.04,50.93) ; J7.4 79.3,65.65 ; J7.4 76.91,65.65 ; J7.4 78.11,64.46 ; C145.2 72.21,25.91 ; C145.2 71.68,25.28 ; C145.2 71.68,26.53 ; 60.56,54.61 C8.2 59.48,54.61
  vias: v1(0.76,38.1) v1(2.54,71.75) v1(2.54,69.85) v1(2.54,67.94) v1(2.54,66.04) v1(2.54,64.14) v1(2.54,62.23) v1(2.54,60.33) v1(2.54,58.42) v1(2.54,56.52) v1(2.54,54.61) v1(2.54,52.7) v1(2.54,50.8) v1(2.54,34.29) v1(2.54,32.38) v1(2.54,30.48) v1(2.54,28.57) v1(2.54,26.67) v1(2.54,24.77) v1(4.45,71.75) v1(4.45,69.85) v1(4.45,67.94) v1(4.45,66.04) v1(4.45,64.14) v1(4.45,62.23) v1(4.45,60.33) v1(4.45,58.42) v1(4.45,56.52) v1(4.45,54.61) v1(4.45,52.7) v1(4.45,50.8) v1(4.45,36.2) v1(4.45,24.77) v1(6.35,71.75) v1(6.35,38.1) v1(6.35,36.2) v1(7.24,32.89) v1(7.37,79.25) v1(8,5.59) v1(9.4,32.89) v1(9.78,81.79) v1(9.91,79.25) v1(10.16,66.04) v1(11.43,71.75) v1(11.43,33.4) v1(12.45,81.79) v1(12.45,79.25) v1(13.34,71.75) v1(13.34,69.85) v1(13.46,49.66) v1(13.46,48.13) v1(13.46,46.61) v1(13.46,45.09) v1(13.59,36.7) v1(13.59,34.92) v1(13.59,33.15) v1(14.99,81.79) v1(14.99,79.25) v1(14.99,36.7) v1(15.24,49.66) v1(15.24,48.13) v1(15.24,46.61) v1(15.24,45.09) v1(15.24,21.84) v1(15.24,19.81) v1(16.38,66.67) v1(16.38,65.02) v1(16.64,21.84) v1(16.64,19.81) v1(16.89,49.66) v1(16.89,48.13) v1(17.53,81.79) v1(17.53,73.53) v1(17.91,65.02) v1(18.03,21.84) v1(18.03,19.81) v1(19.43,65.02) v1(20.95,65.02) v1(20.95,63.5) v1(22.35,35.56) v1(24.64,81.79) v1(24.77,68.96) v1(24.77,67.44) v1(24.77,65.91) v1(26.8,68.96) v1(26.8,67.44) v1(26.8,65.91) v1(27.81,53.47) v1(27.81,51.94) v1(29.72,53.47) v1(30.35,69.22) v1(31.55,39.22) v1(31.55,37.82) v1(32.94,39.22) v1(32.94,37.82) v1(33.78,74.68) v1(36.58,74.68) v1(37.85,71.63) v1(39.37,30.99) v1(39.88,51.56) v1(40.13,73.15) v1(41.02,51.56) v1(42.42,30.99) v1(42.42,24.38) v1(44.7,67.56) v1(50.8,35.56) v1(51.05,28.83) v1(52.07,38.35) v1(52.2,71.88) v1(54.23,59.44) v1(54.61,52.58) v1(54.74,81.79) v1(54.86,54.74) v1(55.5,19.94) v1(56.01,23.37) v1(56.64,17.27) v1(57.28,81.79) v1(57.4,57.02) v1(57.78,25.91) v1(58.04,59.44) v1(62.48,38.35) v1(63.63,81.79) v1(64.9,47.12) v1(64.9,43.81) v1(65.41,61.59) v1(66.67,62.87) v1(67.44,33.4) v1(67.56,71.88) v1(73.91,20.32) v1(74.42,27.56) v1(74.68,17.27) v1(76.45,32) v1(76.71,50.55) v1(82.68,32.26) v1(87,32.26) v1(89.53,48.39) v1(91.82,20.45) v1(92.46,17.27) v1(94.36,32.13) v1(109.73,28.45) v1(114.17,24.64) v1(116.59,24.64)
GND_EARTH: length 21.4
  TOP w0.635: 21.89,12.06 37.64,12.06
  BOTTOM w0.508: C86.1 C85.1 22.17,14.4 L16.2 22.23,12.4 21.89,12.06
VBAT: length 54.2
  TOP w0.254: U1.6 47.05,57.48 45.85,58.67 45.85,62.1 v1(44.96,62.99) C1.1
  TOP w0.381: BT1.1 80.77,59.12 78.23,61.66 78.23,62.99 71.12,70.1 50.29,70.1 48.64,68.45 v1(48.64,66.67)
  BOTTOM w0.381: v1(44.96,62.99) v1(48.64,66.67)
VCC3V3: length 470.9
  TOP w0.229: U20.9 32.49,42.27 v1(32.77,42.55)
  TOP w0.254: 51.98,42.75 51.98,42.68 50.55,41.25 R104.1 ; 51.98,42.75 C4.1 ; 51.98,42.75 51.98,44.34 51.01,45.31 U1.28 ; C5.1 62.48,43.69 62.01,44.17 U1.50 ; v1(53.09,57.02) 53.09,60.07 53.59,60.58 62.77,60.58 63.37,59.97 U1.75 66.58,59.97 66.93,60.33 C6.1 ; U1.19 v1(46.86,50.98) ; R16.1 33.15,44.98 32.77,44.6 v1(32.77,42.55) ; U1.100 50.01,65.3 C7.1 ; U1.11 49.51,54.98 v1(49.53,54.99)
  TOP w0.381: v1(55.88,25.91) 54.86,26.92 51.44,26.92 48.77,24.26 44.45,24.26 43.05,25.65 43.05,29.84 44.45,31.24 L1.1 46.15,32.38 C22.2 C23.2 49.45,32.31 50.16,33.02 50.16,34.42 49.02,35.56 ; v1(55.88,25.91) 57.78,24 66.67,24 69.98,27.3 72.9,27.3 v1(74.3,25.91) ; v1(55.88,25.91) U21.8 ; v1(48.9,65.28) 48.95,65.33 C7.1 ; C5.1 63.43,42.62 63.88,42.17 63.88,37.72 63.18,37.02 50.48,37.02 ; 50.48,37.02 49.91,37.59 R104.1 ; 50.48,37.02 49.02,35.56 ; U22.8 v1(74.3,25.91) ; v1(74.3,25.91) 75.82,24.38 84.96,24.38 87.76,27.18 90.81,27.18 v1(92.08,25.91) ; R108.2 41.15,37.08 42.62,38.56 C52.1 45.81,38.56 Y3.4 45.86,37.67 46.2,37.33 R13.1 46.2,35.87 46.52,35.56 49.02,35.56 ; v1(56.9,55.75) 55.63,57.02 v1(53.09,57.02) ; U23.8 v1(92.08,25.91) ; v1(92.08,25.91) 92.9,25.91 94.43,24.38 103.25,24.38 106.17,27.3 109.09,27.3 v1(110.49,25.91) ; v1(110.49,25.91) 114.68,25.91 116.84,28.07 116.84,44.2 112.52,48.51 99.42,48.51 v1(97.71,46.81) C144.1 97.71,44.25 R33.1 ; v1(110.49,25.91) U24.8
  TOP w0.508: 21.72,36.83 18.29,40.26 v1(18.29,43.69) ; 21.72,36.83 21.08,36.2 21.08,17.65 19.68,16.26 19.68,5.08 ; 21.72,36.83 R24.1 ; R96.2 8.61,6.88 11.94,3.56 18.16,3.56 19.68,5.08 ; 19.68,5.08 v1(22.35,2.41) 43.94,2.41 45.72,4.19 45.72,9.91 41.27,14.35 41.27,21.08 44.45,24.26 ; U5.16 92.46,60.07 v1(91.82,59.44) C150.1 ; R22.1 25.12,44.42 25.68,44.98 R23.1 28.83,46.61 29.46,47.24 33.15,47.24 33.78,46.61 ; 33.78,46.61 34.42,47.24 35.69,47.24 36.32,46.61 R17.1 ; 33.78,46.61 R16.1
  TOP w0.635: v1(33.02,55.5) 33.02,53.34 29.97,50.29 25.53,50.29 23.37,48.13 C54.2 ; R22.1 24.87,43.69 v1(24.13,43.69)
  TOP w0.762: U6.2 U6.4 19.25,54.18 C43.1 C54.2 19.25,45.67 18.29,44.7 v1(18.29,43.69) C55.1
  BOTTOM w0.254: C53.2 33.02,42.29 v1(32.77,42.55) ; v1(22.35,2.41) 22.25,2.51 R179.2
  BOTTOM w0.381: C145.1 v1(74.3,25.91) ; C140.1 v1(55.88,25.91) ; C146.1 v1(92.08,25.91) ; v1(56.9,55.75) L11.1 C8.1 ; v1(46.86,50.98) 47.75,50.98 C3.1 ; v1(97.71,46.81) 91.82,52.7 v1(91.82,59.44) ; v1(110.49,25.91) C147.1
  BOTTOM w0.508: C2.1 48.34,54.17 47.8,53.63 C3.1 ; C2.1 48.34,55.93 47.75,56.52 ; C2.1 v1(49.53,54.99) 50.06,55.52 R2.1 51.89,55.52 U2.2 52.07,57 R74.1 v1(53.09,57.02) ; 47.75,56.52 44.83,56.52 43.81,55.5 v1(33.02,55.5) ; 47.75,56.52 47.75,64.14 v1(48.9,65.28)
  BOTTOM w0.762: v1(18.29,43.69) v1(24.13,43.69)
VCC5V: length 230.8
  TOP w0.381: R29.2 21.67,66.78 25.78,62.66 C40.1
  TOP w0.508: J14.5 101.78,16.64 J14.4 99.87,19.81 97.79,19.81 91.57,13.59 86.66,13.59 J13.5 83.62,16.64 J13.4 81.97,19.56 78.99,19.56 72.9,13.46 68.63,13.46 J12.5 65.46,16.64 J12.4 64.06,19.3 61.21,19.3 55.37,13.46 50.47,13.46 J11.5 48.56,16.64 J11.4 ; 30.73,57.2 C41.1 29.92,56.52 ; 29.33,56.96 C132.2 28.7,57
  TOP w0.762: C41.1 30.68,56.46 C132.2 25.77,56.46 U6.3 25.78,56.6 C40.1
  BOTTOM w0.762: J11.5 48.56,2.59 46.61,0.64 9.14,0.64 0.64,9.14 0.64,34.67 11.68,45.72 11.68,50.93 18.41,57.66 v1(28.7,57.66) v1(30.73,57.66)
VCC_12V: length 406.8
  TOP w0.381: R365.2 39.56,71.73 37.87,73.42 ; R94.2 17.55,71.73 16.26,73.03 16.26,83.19 ; 37.87,73.42 J9.6 ; 37.87,73.42 36.02,71.56 Q7.2 36.02,70.15 R92.1 R79.1 ; J16.4 61.75,77.47 64.26,74.96 64.26,72.3 64.83,71.73 R371.2 ; R368.2 55.35,71.73 56.01,72.39 56.01,83.19
  TOP w0.508: 64.18,15.36 67.22,12.32 79.3,12.32 J13.3 85.39,12.32 97.46,12.32 J14.3 ; 64.18,15.36 61.14,12.32 49.07,12.32 J11.3 ; 64.18,15.36 J12.3
  TOP w0.635: 37.87,81.92 36.6,83.19 27.71,83.19 26.44,81.92 ; 37.87,81.92 39.14,83.19 60.48,83.19 61.75,81.92 ; 37.87,81.92 J9.6 ; 26.44,81.92 25.17,83.19 7.24,83.19 0.64,76.58 0.64,50.29 2.54,48.39 8.51,48.39 8.51,48.34 10.24,46.61 D7.1 ; 26.44,81.92 J9.3 ; 61.75,81.92 63.02,83.19 71.88,83.19 73.18,81.89 J16.7 ; 61.75,81.92 J16.4
  TOP w0.762: 10.03,53.34 9.4,52.7 9.4,49.28 8.51,48.39 ; 10.03,53.34 C33.1 ; 10.03,53.34 7.57,55.8 C31.1 7.57,61.01 L9.1
  BOTTOM w0.508: J13.3 83.36,16.38 83.95,16.38 84.33,16.76 85.01,16.76 J13.6 ; J11.6 48.69,16.76 48.01,16.76 47.5,16.26 46.91,16.26 J11.3 ; J12.3 65.07,16.26 65.66,16.26 66.29,16.89 66.98,16.89 J12.6 ; J14.3 101.4,16.26 101.98,16.26 102.55,16.83 103.24,16.83 J14.6
  BOTTOM w0.762: J14.3 102.67,13.21 108.2,13.21 118.11,23.11 118.11,75.06 109.98,83.19 74.04,83.19 73.18,82.32 J16.7
VDDA: length 13.1
  TOP w0.254: U1.22 U1.21 50.61,49.97 51.69,51.05 56.26,51.05 v1(57.91,52.7)
  BOTTOM w0.381: C9.1 v1(57.91,52.7) 57.02,52.7 L11.2
ADC12_IN8: length 47.8
  TOP w0.254: R372.1 R370.2 70.71,71.25 72.04,71.25 D47.1 72.24,71.25 73.61,71.25 C153.1 v1(73.79,70.23) ; v1(53.98,43.94) 54.51,44.47 U1.35
  BOTTOM w0.254: v1(73.79,70.23) 73.79,67.82 62.23,56.26 62.23,44.83 60.45,43.05 54.86,43.05 v1(53.98,43.94)
ADC12_IN9: length 43.1
  TOP w0.254: v1(63.25,71.37) 62.41,71.37 C152.1 ; v1(55.5,43.94) 55.01,44.43 U1.36 ; v1(59.44,59.31) v1(61.47,57.28)
  TOP w0.381: R369.1 R367.2 59.28,71.25 60.61,71.25 D46.1 60.81,71.25 62.18,71.25 C152.1
  BOTTOM w0.254: v1(61.47,57.28) 61.47,45.09 60.33,43.94 v1(55.5,43.94) ; v1(63.25,71.37) 63.25,65.79 59.44,61.98 v1(59.44,59.31)
ADC123_IN12: length 43.1
  TOP w0.254: C139.1 27.13,70.66 31.37,66.42 44.96,66.42 47.75,63.63 47.75,61.85 50.67,58.93 50.67,53.21 49.91,52.45 49.52,52.45 49.05,51.98 U1.17
  TOP w0.381: C139.1 26.62,70.48 25.25,70.48 D11.1 25.05,70.48 23.72,70.48 R342.2 R67.1
ADC123_IN13: length 28.9
  TOP w0.254: C151.1 44.58,69.98 45.85,68.71 45.85,66.67 48.51,64.01 48.51,61.85 51.31,59.05 51.31,52.96 50.16,51.82 49.66,51.82 49.32,51.48 U1.18
  TOP w0.381: R366.1 R364.2 47.65,70.48 46.33,70.48 D45.1 46.13,70.48 44.75,70.48 C151.1
BUTTON: length 84
  TOP w0.254: v1(113.67,49.53) 80.39,49.53 76.83,53.09 76.83,62.54 70.55,68.83 56.77,68.83 54.51,66.57 U1.91
  BOTTOM w0.254: v1(113.67,49.53) 113.67,50.93 114.63,51.89 C130.1 115.42,51.92 S1.2
E_RMII_CRS_DVALID: length 52.2
  TOP w0.229: R340.1 v1(30.1,45.97) ; U1.32 53.01,47.32 v1(52.07,48.26)
  BOTTOM w0.254: v1(52.07,48.26) 51.53,47.72 43.52,47.72 43.27,47.97 43.27,48.51 43.01,48.77 42.51,48.77 42.25,48.51 42.25,47.97 42,47.72 41.49,47.72 41.24,47.97 41.24,48.51 40.98,48.77 40.47,48.77 40.22,48.51 40.22,47.97 39.97,47.72 39.46,47.72 39.2,47.97 39.2,48.51 38.95,48.77 38.22,48.77 37.21,47.75 31.88,47.75 31.62,48.01 31.62,48.51 31.88,48.77 36.95,48.77 37.21,49.02 37.21,49.53 36.95,49.78 31.88,49.78 28.83,46.74 28.83,43.43 29.08,43.18 29.59,43.18 29.77,43.36 29.77,44.89 30.1,45.21 v1(30.1,45.97)
E_RMII_MD: length 50.9
  TOP w0.254: U1.25 46.48,47.98 46.23,48.23 46.23,49.1 45.97,49.35 45.43,49.35 44.69,48.61 38.1,48.61 37.85,48.86 37.85,49.66 37.31,50.2 37.31,51.18 37.05,51.44 36.55,51.44 36.29,51.18 36.29,50.42 36.04,50.16 35.53,50.16 35.28,50.42 35.28,51.18 35.02,51.44 34.51,51.44 34.26,51.18 34.26,50.42 34.01,50.16 32.4,50.16 32.14,49.91 32.14,49.53 32.4,49.28 36.32,49.28 36.67,48.93 36.67,48.56 36.37,48.26 26.53,48.26 26.27,48.01 26.27,47.65 27.24,46.68 27.24,46.32 26.95,46.02 26.46,46.02 25.5,46.98 25.14,46.98 23.11,44.96 23.11,42.67 23.62,42.16 R339.1
E_RMII_MDCLK: length 50.9
  TOP w0.254: R338.1 23.88,40.89 23.11,40.13 23.11,38.61 22.86,38.35 22.35,38.35 22.1,38.61 22.1,41.29 21.84,41.55 21.34,41.55 21.08,41.29 21.08,40.26 20.83,40.01 20.32,40.01 20.07,40.26 20.07,42.31 20.32,42.56 21.84,42.56 22.1,42.82 22.1,44.96 26.16,49.02 30.23,49.02 33.4,52.2 37.47,52.2 38.35,51.31 38.35,50.04 39.12,49.28 44.32,49.28 44.7,49.66 44.7,51.18 45.21,51.69 45.85,51.69 46.63,52.47 U1.16
E_RMII_RX_ERR: length 52.7
  TOP w0.254: U1.47 60.51,47.19 60.07,47.62 v1(56.01,47.62) ; R348.1 v1(31.37,45.97)
  BOTTOM w0.254: v1(31.37,45.97) 30.83,45.43 30.83,44.45 31.08,44.2 33.91,44.2 36.2,41.91 45.59,41.91 48.64,44.96 60.07,44.96 60.33,45.21 60.33,45.57 60.07,45.83 57.4,45.83 57.15,46.08 57.15,46.48 57.4,46.74 60.07,46.74 60.33,46.99 60.33,47.37 60.07,47.62 v1(56.01,47.62)
ERMII_RXD0: length 49.4
  TOP w0.229: U1.33 v1(53.51,48.26) ; R336.1 v1(35.05,45.97)
  BOTTOM w0.254: v1(53.51,48.26) 51.73,46.48 50.04,46.48 49.4,47.12 48.64,47.12 46.86,45.34 38.99,45.34 38.73,45.59 38.73,45.97 38.99,46.23 46.74,46.23 46.99,46.48 46.99,46.86 46.74,47.12 32.64,47.12 32.38,46.86 32.38,45.21 32.64,44.96 33.27,44.96 33.53,45.21 33.53,46.1 33.78,46.35 34.67,46.35 v1(35.05,45.97)
ERMII_RXD1: length 48.1
  TOP w0.229: v1(54.61,47.62) 54.01,47.02 U1.34 ; R337.1 v1(37.59,45.97)
  BOTTOM w0.254: v1(54.61,47.62) 54.61,46.86 54.86,46.61 55.91,46.61 56.19,46.33 56.19,45.97 55.93,45.72 54.3,45.72 54.05,45.97 54.05,46.48 53.79,46.74 53.28,46.74 53.03,46.48 53.03,45.97 52.78,45.72 48.26,45.72 47.12,44.58 45.75,44.58 45.5,44.32 45.5,42.93 45.25,42.67 44.74,42.67 44.48,42.93 44.48,44.45 44.23,44.7 43.72,44.7 43.47,44.45 43.47,42.93 43.21,42.67 42.71,42.67 42.45,42.93 42.45,44.45 42.2,44.7 41.69,44.7 41.44,44.45 41.44,42.93 41.18,42.67 40.67,42.67 40.42,42.93 40.42,44.45 40.17,44.7 39.66,44.7 39.4,44.45 39.4,42.93 39.15,42.67 38.64,42.67 38.39,42.93 38.39,44.07 38.13,44.32 37.63,44.32 37.37,44.07 37.37,42.93 37.12,42.67 36.61,42.67 36.36,42.93 36.36,43.69 36.1,43.94 35.56,43.94 35.31,44.2 35.31,44.7 35.56,44.96 37.34,44.96 37.59,45.21 v1(37.59,45.97)
ERMII_TXD0: length 5.7
  TOP w0.254: U1.51 62.39,47.98 60.71,49.66 v1(59.82,49.66)
  BOTTOM w0.254: R333.1 v1(59.82,49.66)
ERMII_TXD1: length 6
  TOP w0.254: U1.52 62.78,48.48 v1(60.45,50.8)
  BOTTOM w0.254: R334.1 v1(60.45,50.8)
ERMII_TXEN: length 4.2
  TOP w0.254: U1.48 61.01,47.96 v1(60.45,48.51)
  BOTTOM w0.254: R335.1 v1(60.45,48.51)
GR+: length 1.8
  BOTTOM w0.254: J1.9 21.37,4.12 R179.1
GR-: length 42.2
  TOP w0.229: U20.2 35.38,37.77 v1(36.07,37.08) R108.1
  BOTTOM w0.254: J1.10 25.68,5.36 38.1,17.78 38.1,29.59 36.83,30.86 36.83,36.32 v1(36.07,37.08)
IN_EXIT: length 5.7
  TOP w0.381: J9.2 22.35,77.44 R67.2
IN_LINE1: length 4.8
  TOP w0.381: J16.3 57.94,72.95 R369.2
IN_LINE2: length 4.8
  TOP w0.381: J16.6 69.37,72.95 R372.2
IN_LOCK: length 6.1
  TOP w0.381: J16.1 50.32,73.46 R366.2
MPU_RMII_RST: length 36
  TOP w0.254: v1(45.59,50.67) 47.29,48.98 U1.23 ; R26.1 v1(24.13,39.62)
  BOTTOM w0.254: v1(45.59,50.67) 43.43,52.83 30.73,52.83 25.02,47.12 25.02,40.51 v1(24.13,39.62)
NRST: length 40.3
  TOP w0.229: U1.14 49.52,53.47 v1(49.53,53.47)
  BOTTOM w0.254: C12.1 52.25,53.62 U2.1 ; U2.1 52.07,54.37 55.87,58.17 59.82,58.17 60.64,58.99 60.64,60.39 62.1,61.85 63.5,61.85 73.2,71.55 77.21,71.55 J7.2 ; U2.1 51.92,53.95 R2.2 50.01,53.95 v1(49.53,53.47)
OSC_EN: length 2.2
  TOP w0.254: Y3.1 47.78,38.27 R13.2
OUT_CTL: length 17.7
  TOP w0.254: R77.1 45.72,64.14 46.74,63.12 46.74,60.58 47.34,59.97 U1.1
OUT_CTL1: length 10.9
  TOP w0.381: J9.5 34.06,76.43 35.05,75.44 Q7.3 32.77,73.28 31.5,72.01 R373.2
PA13_JT MS: length 18.8
  TOP w0.254: v1(65.66,57.91) 65.1,58.48 U1.72
  BOTTOM w0.254: v1(65.66,57.91) 75.9,68.15 J7.3
